# Allegro board AM335x_ICE_3H0013_PCB_REV_2_1A.brd (continued)
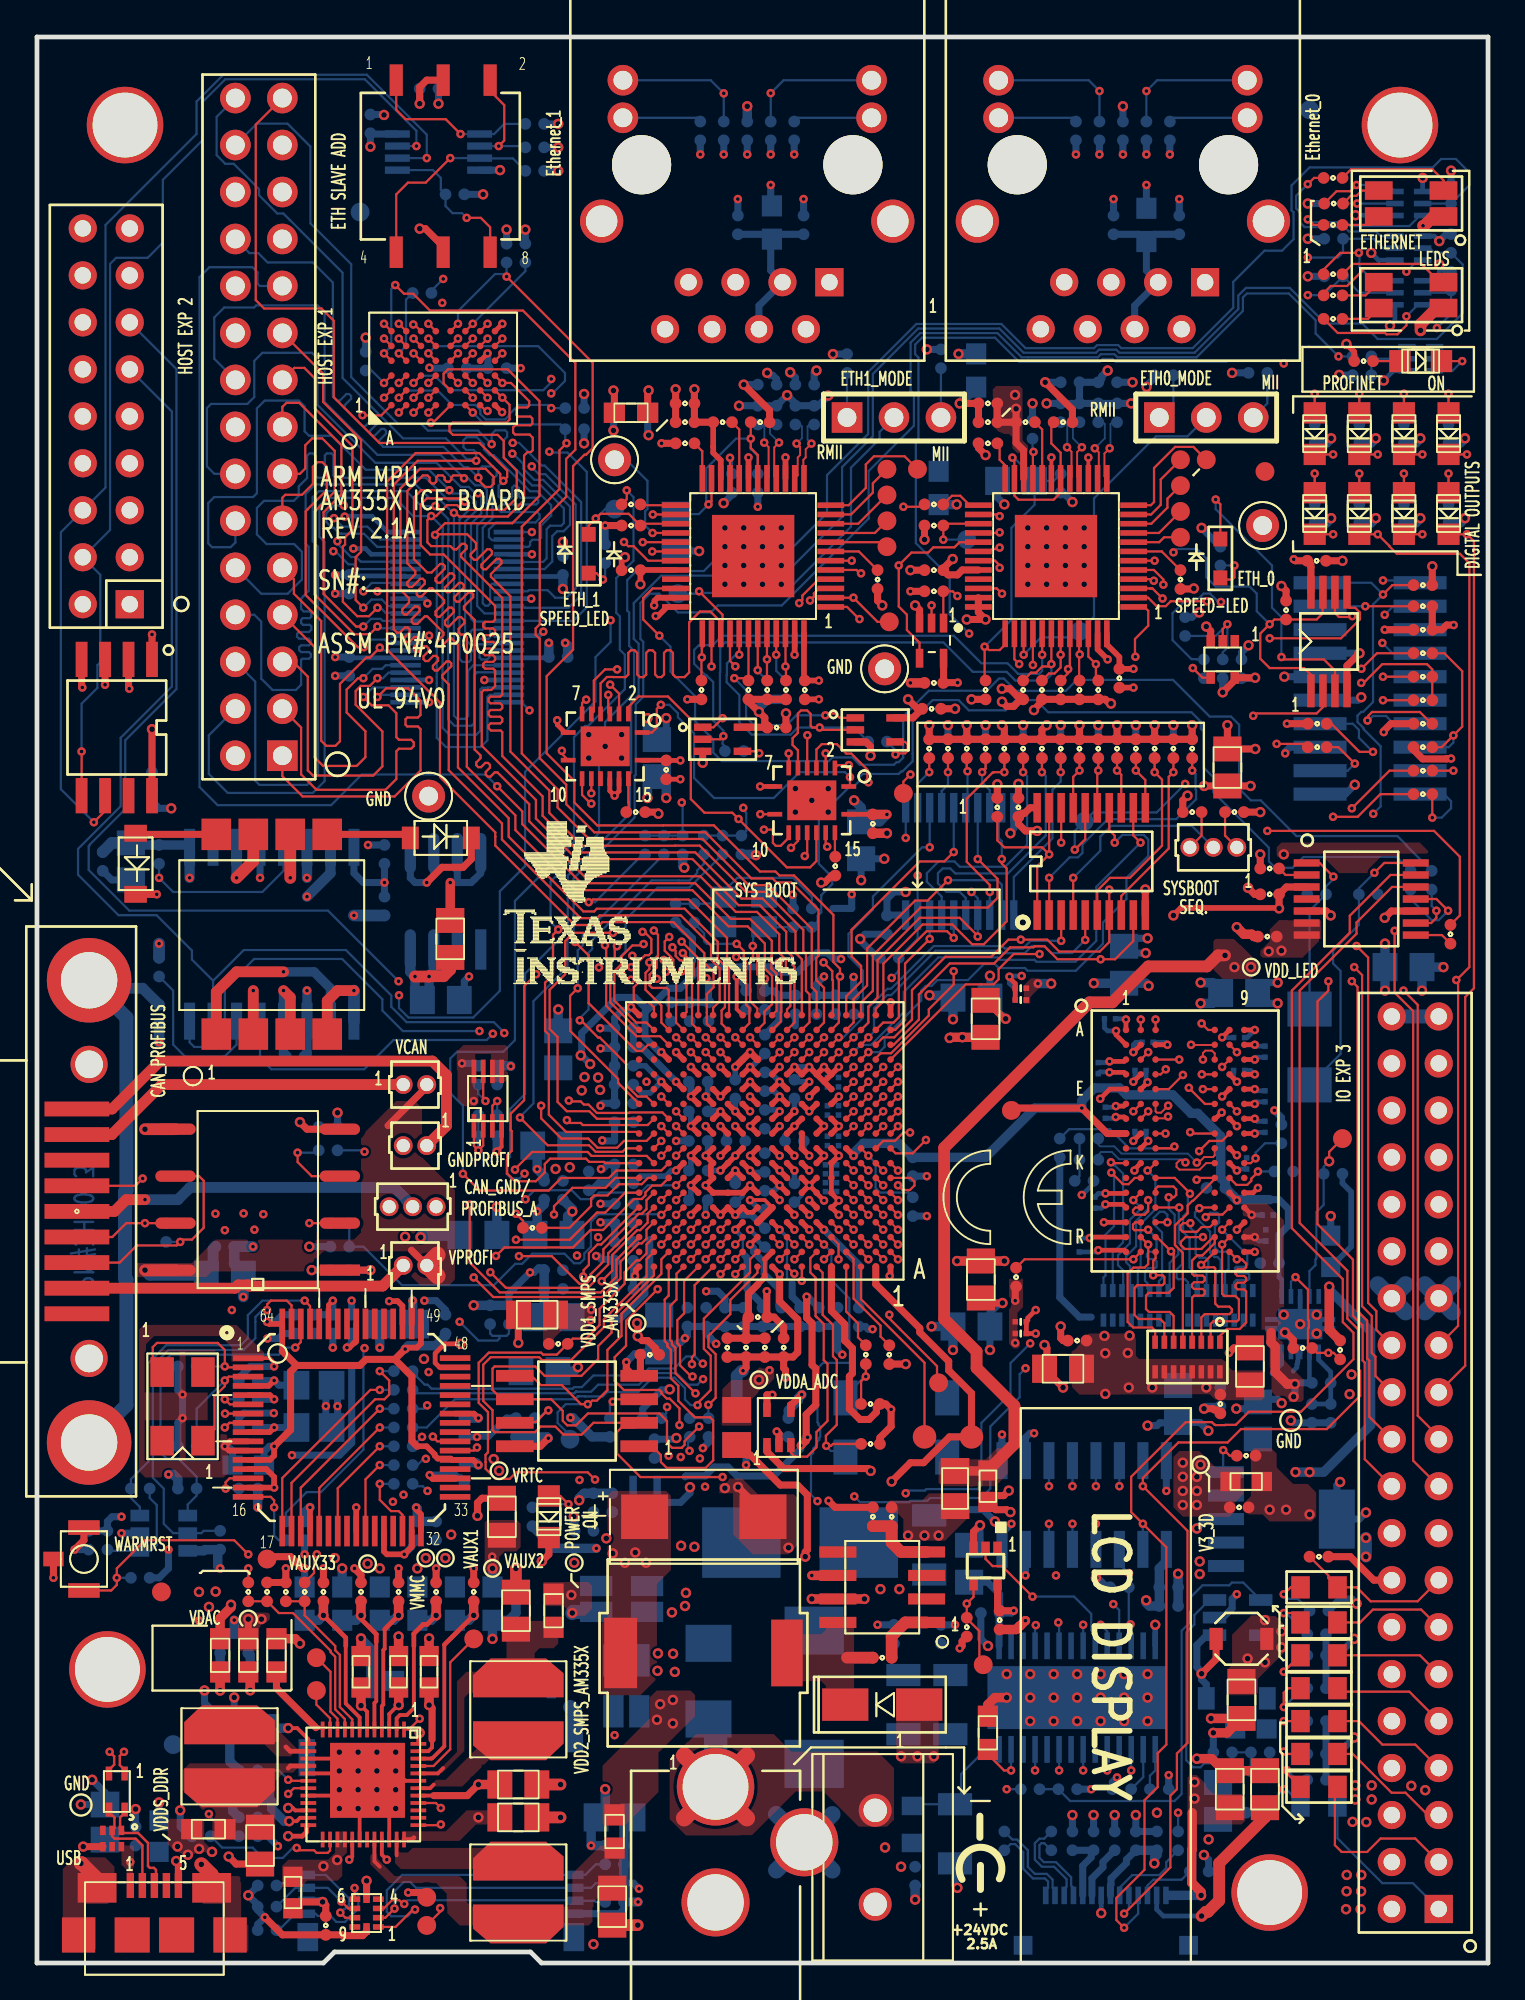
[diagram p0: board, top side]
## Routing (per net, layer and track width the routed paths; a pad name or vN(x,y) marks a point on that pad's centre or on a via; arc(x,y) is an arc through that point) (continued)
GND_EARTH: length 5.8
  TOP w0.381: S1.3 v1(0.89,20.83)
  TOP w0.762: J13.S2 9.45,4.77 v2(8.89,5.33) ; v2(2.37,5.39) 2.41,5.39 3.25,4.55 J13.S1
  BOTTOM w0.762: 28.84,13.84 29.09,13.59 J16.11
  vias: v2(30.1,1.02)
GND_OSC0: length 16.1
  TOP w0.203: v1(37.85,53.34) 37.85,51.57 U14.V11
  LYR4 w0.381: v1(40.87,57.76) 40.87,56.37 38.22,53.73 38.22,53.72 v1(37.85,53.34) 37.59,53.34 37.16,53.77 35.74,53.77 35.6,53.63 v1(34.89,53.63)
  BOTTOM w0.381: v1(37.85,53.34) 37.92,53.26 37.92,53.24 38.35,52.81 C106.2 ; C100.2 40.89,57.74 v1(40.87,57.76) ; C99.2 35.04,55.77 35.1,55.77 35.46,55.41 35.46,54.19 v1(34.89,53.63)
GND_OSC1: length 13.5
  TOP w0.381: C42.1 45.59,28.4 46.2,29.01 v1(46.2,29.93) 45.91,30.23 C40.1 45.4,30.04 45.4,29.78 45.01,29.39 44.52,29.39 43.94,29.96 43.94,31.72 44.11,31.88 44.11,33.24 43.69,33.66 43.69,34.54 42.97,35.26 U14.A5
GNDA_ADC: length 77.7
  TOP w0.305: v1(40.97,40.45) U14.E8 ; v1(40.17,37.25) U14.A9
  TOP w0.381: C36.2 C35.2 C34.2 ; C36.2 40.39,32.17 40.49,32.07 v1(40.49,31.65) ; C36.2 40.89,32.77 41.15,33.02 41.15,34.8 40.17,35.78 v1(40.17,37.25) ; v1(38.19,32.02) 38.35,32.19 C34.2 ; C34.2 C33.2
  LYR3 w0.508: v2(71,30.76) 71,31.72 v2(71.1,31.82)
  LYR3 w0.635: v2(71,30.76) 68.25,28.01 66.74,28.01 65.79,27.06 63.88,27.06 63.04,27.9 61.6,27.9 60.96,27.27 47.07,27.27 46.45,27.89 46.45,27.9 45.67,28.69 43.42,30.94 42.68,30.94 41.67,31.94 40.78,31.94 v1(40.49,31.65) 40.49,30.48 40.06,30.05 39.28,30.05 38.1,31.22 38.1,31.93 v1(38.19,32.02)
  LYR4 w0.635: J14.40 J14.38 71.8,47.17 71.8,38.48 71.38,38.06 71.38,33.66 71.03,33.3 71.03,31.9 v2(71.1,31.82)
  BOTTOM w0.635: FB11.1 37.85,31.75 38.1,32 38.17,32 v1(38.19,32.02)
  BOTTOM w0.762: J14.39 J14.40
GNDPROFI: length 40.1
  TOP w0.635: C24.2 22.35,53.72 21.99,53.36 21.23,53.36 v1(21.21,53.34) v1(20.45,53.34) ; v1(10.79,58.67) 11.7,59.58 L1.7 ; U16.5 v2(5.84,45.09) ; L1.6 v1(13.7,58.67)
  LYR5_PWR w0.762: 16.76,39.12 16.76,40.01 16,40.01
  LYR5_PWR w0.889: 18.48,40.32 J8.3 18.48,41.47 ; 19.24,43.62 J7.2 19.24,44.77
  BOTTOM w0.508: v1(20.45,53.34) 20.45,52.47 C107.2 21.21,52.43 v1(21.21,53.34) ; 8.26,60.33 8.13,60.45 R153.1 5.19,60.45 C95.2
  BOTTOM w0.559: v1(14.61,57.66) 15.88,58.93 U28.15 ; v1(20.45,53.34) 20.19,53.59 U27.4 ; U28.11 v1(10.79,58.67) ; v1(21.21,53.34) 21.46,53.59 21.46,54.8 ; U28.14 v1(14.61,58.67) ; v1(8.26,58.67) 8.26,60.33
  BOTTOM w0.584: v1(11.16,36.02) C191.2 11.16,37.31 10.67,37.81 C185.2 v1(11.68,38.73) ; v1(6.6,49.78) R175.2
  BOTTOM w0.635: C98.2 v1(17.14,56.64) ; C95.2 4.05,60.56 C96.2
V3_3D: length 219.3
  TOP w0.254: U1.G4 v1(24.37,87.03) ; U9.16 34.02,65.04 C19.1 v1(34.8,65.02) ; U11.16 45.2,62.11 C20.1
  TOP w0.305: U18.56 17.27,33.61 17.2,33.54 17.16,33.54 16.9,33.27 v1(16.76,33.27) ; U2.32 32.65,75.32 C9.1 v2(32.64,74.55) ; U18.20 v1(14.77,24.64) ; U18.31 20.27,22.5 v1(19.86,22.1) 18.92,22.1 18.77,22.25 U18.28 ; v1(59.31,69.98) C11.1 58.55,70.61 57.87,71.29 U3.48 ; U2.48 41.49,69.39 C15.1 v1(42.29,69.34) ; v1(23.88,29.46) 23.63,29.71 U18.42
  TOP w0.381: v2(65.89,69.49) U10.5 64.79,69.36 v2(64.14,68.71) ; 50.29,17.65 50.04,17.4 50.04,17.14 v1(49.91,17.02) ; R24.2 v1(67.61,67.01) ; v2(49.53,75.91) 49.02,75.41 C10.1 49.28,75.06 49.78,75.06 50.05,75.32 U3.32 ; v1(27.66,28.37) 27.23,27.94 U17.8 ; v2(52.2,68.2) 52.45,67.94 52.83,67.94 53.21,68.33 R30.2 53.15,68.52 53.01,68.52 52.62,68.9 v2(52.19,68.9) ; v2(62.57,74.32) 62.56,74.32 62.54,74.3 R19.2 ; SW1.C1 21.08,101.81 20.7,101.42 v2(20.7,100.53) ; R18.2 45.47,73.66 v2(45.72,73.41) ; 49.04,69.23 U5.5 ; 49.04,69.23 v1(49.8,69.23) ; 49.04,69.23 C12.1 ; U19.1 39.48,27.64 40.39,26.74 44.97,26.74 v2(45.09,26.61) ; v1(72.85,66.56) 72.85,66.62 73.23,67.01 R25.2 ; v2(20.7,93.78) 21.01,93.78 21.97,92.81 SW1.C2 ; v1(67.98,75.9) 68.06,75.82 C7.1 68.9,75.63 68.9,75.49 68.91,75.48 U4.8 ; R15.2 v1(30.73,77.72) ; v1(41.36,30.73) 40.82,30.19 40.78,30.19 U19.4 ; v2(53.92,67.74) 53.97,67.79 53.97,67.82 54.36,68.21 R31.2 R32.2 R33.2 R34.2 57.78,68.33 57.91,68.2 57.99,68.2 v2(58.09,68.1) ; U16.1 v2(18.03,37.47) ; R21.2 v1(47.24,74.17) ; v2(67.31,74.46) 67.56,74.2 R11.1 ; v2(54.1,61.21) 53.47,61.21 53.09,61.59 C277.1 53.28,62.17 53.42,62.17 53.72,62.46 U37.20 ; C8.1 v1(72.9,72.09) ; U8.5 39.48,66.82 C18.1 39.5,66.93 39.37,67.06 39.37,67.33 v2(39.05,67.65) 39.11,67.65 39.11,67.57 38.48,68.21 R27.2 R28.2 R29.2 ; U7.5 47.39,67.32 C17.1 47.62,67.82 v2(47.12,68.33) ; R16.2 v2(48.01,76.96) ; 6.22,63.12 v2(6.22,66.71)
  TOP w0.508: C20.1 v1(45.97,62.1)
  TOP w0.584: L1.2 v1(11.7,52.58) ; v1(13.34,52.58) 13.7,52.21 L1.3
  LYR3 w0.381: v2(45.09,26.61) 45.14,26.66 45.14,27.96 43.05,30.05 42.31,30.05 41.62,30.73 v1(41.36,30.73)
  LYR4 w0.508: v2(60.44,5.39) 63.4,8.35 63.4,11.4 62.1,12.7 62.1,17.6 60.24,19.47 60.13,19.47 v2(59.99,19.61)
  LYR5_PWR w0.889: J3.1 5.77,72.72 ; J3.1 5.77,74.22 ; J3.1 4.26,72.72 ; J3.1 4.26,74.22
  BOTTOM w0.254: U26.18 19.92,74.99 19.01,74.99 19,75 16.95,75 C86.1 ; C87.1 27.65,70.57 U26.42 ; U26.7 16.93,70.57 C88.1 ; C85.1 28.36,74.97 U26.31
  BOTTOM w0.381: C207.1 17.02,33.53 v1(16.76,33.27) ; R111.2 v2(17.78,87.88) ; C190.1 v2(18.03,37.47) ; C69.1 v2(20.7,100.53) ; J15.5 v1(72.9,72.09) ; v2(42.8,84.75) 42.25,84.2 R120.1 R121.1 41.02,84.33 v2(40.58,84.77) R122.1 R123.1 v2(37.97,84.2) ; v2(37.14,78.94) 37.15,78.94 37.59,79.39 R129.2 ; R280.1 v1(60.01,96.14) ; v2(40.74,86.01) 41.02,85.73 C79.1 ; 29.59,82.93 v2(29.59,82.17) ; v2(39.5,85.98) 39.62,85.85 39.8,85.85 40.01,85.64 C80.1 ; R95.2 v1(37.15,97.79) ; R279.1 39.69,95.07 v1(39.69,96.14) ; R118.1 R117.1 R116.1 v2(59.18,84.33) ; R118.1 C78.1 C77.1 57.59,85.66 57.59,85.8 57.71,85.92 57.72,85.92 v2(57.91,86.11) ; R118.1 R119.1 v2(54.61,84.33) ; C232.2 R211.2 3.81,23.88 4.06,24.13 v1(4.57,24.13) ; U25.8 18.07,98.89 C70.1 v2(18.03,98.21) ; v2(46.99,57.91) 46.35,57.91 45.97,57.53 C275.1 46,56.66 U38.20 ; R240.2 31.18,83.77 v2(31.18,82.87) ; R97.2 v1(39.69,97.79) ; R114.1 60.45,85.72 60.02,85.29 v2(60.02,85.22) ; 64.14,69.47 v2(64.14,68.71) ; R92.2 v1(60.01,97.79) ; C93.1 v2(6.22,66.71) ; v2(65.89,69.49) 65.86,69.47 65.15,69.47 ; C266.1 58.93,5.59 58.93,5.41 58.09,4.57 58.09,4.25 58.06,4.21 J17.7 ; R98.2 v1(40.96,97.79) ; 43.81,87 v2(43.05,87) ; R101.2 v2(26.42,93.73) ; C88.1 v1(16.13,70.61) ; R89.2 v1(56.2,97.79) ; R124.2 v2(53.85,84.33) ; R94.2 v1(35.88,97.79) ; R90.2 v1(57.47,97.79) ; v1(24.37,87.03) 24.38,87.02 C75.1 C76.1 ; C230.1 20.27,22.55 20.27,22.5 v1(19.86,22.1) ; v2(62.99,77.6) R130.2 ; R93.2 v1(61.28,97.79) ; C86.1 v1(16.13,75.06) ; R131.2 v1(30.73,77.72) ; FB12.1 15.62,29.27 15.62,30.11 v1(15.63,30.11) 15.63,30.93 FB10.1 16.26,30.92 v1(16.26,30.11) 16.26,29.28 FB12.1
  BOTTOM w0.508: v1(28.86,29.49) 28.98,29.49 30.02,28.45 R199.2 ; R206.2 7.62,26.17 7.37,26.42 v1(7.11,26.42) ; v1(9.91,21.34) 9.78,21.46 9.78,22.23 R210.2 9.08,22.35 9.02,22.29 U33.6 ; v2(39.05,67.65) 39.05,67.88 R28.2 R29.2 ; C218.1 40.64,29.88 41.18,30.43 41.18,30.55 41.37,30.73 v1(41.36,30.73) ; R148.2 34.92,59.31 v2(35.01,59.23) ; R145.2 38.82,59.94 38.86,59.9 v2(38.88,59.9) ; R241.2 49.73,78.86 v2(49.75,78.87) ; v1(13.34,52.58) 13.34,49.15 C123.1 ; R205.2 v1(11.94,24.64) ; v2(34.04,62.99) 34.04,63.88 33.77,64.15 C92.1 33.27,64.15 33.02,63.9 v2(33.02,62.99) ; C231.1 14.47,23.88 14.47,24.34 v1(14.77,24.64) ; C219.1 R200.2 27.59,28.45 v1(27.66,28.37) ; C266.1 C265.1 60.58,5.85 60.45,5.72 60.45,5.4 v2(60.44,5.39) ; v1(23.88,29.46) C220.1 ; C85.1 v2(28.45,74.3) ; v2(59.99,19.61) 59.99,19.48 60.17,19.3 C238.1 C236.1 60.71,21.34 61.09,21.72 U31.1 ; v1(45.97,62.1) 45.58,61.71 C94.1 44.58,62.48 v2(44.2,62.87) ; FB9.1 18.54,34.48 v1(18.54,33.27) ; C87.1 v1(27.69,71.37)
  vias: v2(61.98,27.05) v2(61.98,26.29) v2(61.98,25.53) v2(61.98,24.77) v2(62.74,26.29) v2(62.74,25.53) v2(62.74,24.77) v2(62.94,26.95) v2(66.62,54.7) v2(67.31,54.74)
V3_3D_PROFIA: length 5.1
  TOP w0.584: L1.4 15.7,52.02 16.26,52.58 v1(17.14,52.58)
  BOTTOM w0.635: v1(17.14,52.58) U28.1
V3_3D_PROFIB: length 11
  TOP w0.584: L1.1 9.7,52.5 10.79,53.59 v1(13.34,53.59)
  BOTTOM w0.508: v1(13.34,53.59) 14.99,53.59 15.88,52.7 U28.2
V3_3D_PRUETH0JCK: length 9.4
  BOTTOM w0.381: C71.1 60.4,93.47 R280.2 ; J2.4 59.37,89.61 J2.3 60.01,91.52 R280.2 ; R280.2 59.62,93.47 C72.1
V3_3D_PRUETH1JCK: length 9.5
  BOTTOM w0.381: C73.1 40.02,93.47 R279.2 ; J1.4 39.05,89.61 J1.3 39.69,91.52 39.69,93.14 R279.2 ; R279.2 39.49,93.47 C74.1
V5_0D: length 61
  TOP w0.203: 21.37,12.08 21.37,11.66 21.17,11.45 U22.47 ; v2(17.53,13.92) 17.85,13.59 U22.6 ; v2(13.64,7.67) 14.05,7.67 14.23,7.85 U22.23 ; U22.41 21.46,9.05 ; U22.3 19.05,13.47 19.53,13.95 v2(19.56,13.95) ; U22.13 14.68,12.1 14.08,12.7 v2(13.59,12.7)
  TOP w0.254: 20.39,6.78 20.29,6.68 U22.36
  TOP w0.381: 21.37,12.08 21.37,13.78 v2(21.21,13.95) ; v2(23.88,9.65) 23.28,9.05 21.46,9.05
  TOP w0.508: v2(17.53,13.92) C57.1 ; v2(21.21,13.95) C59.1 ; C58.1 19.56,14.89 v2(19.56,13.95) ; C61.1 v2(23.88,9.65)
  LYR3 w0.889: J14.27 76.57,36.69 ; J14.27 76.57,35.19 ; J14.27 75.07,35.19 ; J14.27 75.07,36.69 ; 72.53,35.19 J14.28 ; J14.28 74.03,36.69 ; J14.28 74.03,35.19 ; J14.28 72.53,36.69
  LYR4 w0.508: v1(57.02,9.4) 59.31,9.4 v2(60.58,8.13)
  LYR4 w0.889: J14.27 76.57,35.19 ; J14.27 75.07,36.69 ; J14.27 76.57,36.69 ; J14.27 75.07,35.19 ; 72.53,36.69 J14.28 ; J14.28 74.03,35.19 ; J14.28 74.03,36.69 ; J14.28 72.53,35.19
  BOTTOM w0.381: R224.1 v1(57.02,9.4)
  BOTTOM w0.508: R132.1 69.75,77.87 v2(70,78.12) ; R173.1 76.98,82.19 v2(77.24,82.44) ; R133.1 72.16,77.87 v2(72.41,78.12) ; v2(74.83,82.44) 74.57,82.19 R155.1 ; R143.1 69.75,82.19 v2(70,82.44) ; v2(74.83,78.12) 74.57,77.87 R136.1 ; v2(13.64,7.67) 13.37,7.67 12.7,8.34 12.7,8.72 C257.1 ; v2(74.91,52.58) C97.1 v2(76.07,53.85) ; R151.1 72.16,82.19 v2(72.41,82.44) ; v2(77.24,78.12) 76.98,77.87 R140.1 ; v2(13.59,12.7) C251.1
  BOTTOM w0.635: v2(71.88,22.99) v2(71.88,21.97)
  BOTTOM w0.889: J14.28 74.03,36.69 ; J14.28 72.53,36.69 ; J14.28 74.03,35.19 ; 75.07,35.19 J14.27 ; J14.27 76.57,36.69 ; J14.27 75.07,36.69 ; J14.27 76.57,35.19
  vias: v2(15.49,5.23) v2(16.24,5.57) v2(23.88,7.87) v2(31.14,22.15) v2(31.8,21.64) v2(32.36,22.2) v2(32.94,21.64) v2(47.12,23.11) v2(48.01,23.11) v2(48.77,23.11) v2(65.48,16.46) v2(66.42,18.54) v2(66.42,16.26) v2(67.31,17.93) v2(67.31,17.07) v2(71.16,7.63) v2(71.3,9.6) v2(71.3,8.84) v2(71.9,7.62) v2(72.19,9.6) v2(72.19,8.84) v2(74.33,9.58) v2(75.09,9.34)
V5_0VOP: length 7.8
  TOP w0.381: v1(52.83,19.05) C55.1 51.96,19.16 U20.5
  BOTTOM w0.381: C240.1 52.04,18.89 U35.15 ; C240.1 52.7,18.92 v1(52.83,19.05) ; C240.1 52.07,19.94 51.42,20.59 C234.1
V13: length 6.6
  TOP w0.508: 62.48,8.13 62.48,6.14 62.46,6.12 62.46,4.34 62.97,3.84 v2(62.97,3.66)
  BOTTOM w0.203: J17.1 61.16,3.66
  BOTTOM w0.508: 61.16,3.66 v2(62.97,3.66)
  vias: v2(62.61,9.78) v2(62.61,8.89)
V24_0HVS: length 46.5
  TOP w0.381: J14.16 72.31,20.7 71.04,21.97 R243.1
  TOP w0.508: v2(44.76,19.68) U21.7 v2(41.91,19.68)
  LYR3 w0.635: J14.16 J14.14
  LYR3 w0.889: 72.53,6.21 J14.4 ; J14.4 74.03,4.71 ; J14.4 72.53,4.71 ; J14.4 74.03,6.21 ; 72.53,3.67 J14.2 ; J14.2 74.03,2.17 ; J14.2 74.03,3.67 ; J14.2 72.53,2.17
  LYR4 w0.889: J14.2 74.03,2.17 ; J14.2 72.53,2.17 ; J14.2 74.03,3.67 ; J14.2 72.53,3.67 ; 72.53,6.21 J14.4 ; J14.4 74.03,4.71 ; J14.4 72.53,4.71 ; J14.4 74.03,6.21 ; 72.53,17.41 J14.14 ; J14.14 74.03,17.41 ; J14.14 72.53,18.91 ; J14.14 74.03,18.91 ; J14.12 74.03,14.87 ; J14.12 74.03,16.37 ; J14.12 72.53,16.37 ; J14.12 72.53,14.87 ; 74.03,8.75 J14.6 74.03,7.25 ; J14.10 74.03,13.83 ; J14.10 72.53,13.83 ; J14.10 72.53,12.33 ; J14.10 74.03,12.33 ; 72.53,19.95 J14.16 ; J14.16 74.03,19.95 ; J14.16 74.03,21.45 ; 72.53,11.29 J14.8 74.03,11.29
  vias: v2(45.62,20.22) v2(45.87,6.25) v2(46.65,20.22) v2(46.74,5.21) v2(70.84,4.76) v2(70.83,3.88) v2(70.81,2.91) v2(71.63,4.76) v2(71.62,3.88) v2(71.59,2.91)
V24_IN: length 25.1
  TOP w0.889: 35.01,7.83 J11.1 ; J11.1 38.4,7.83 ; J11.1 38.4,11.22 ; J11.1 35.01,11.22
  LYR3 w0.889: 38.4,11.22 J11.1 35.01,11.22
  LYR4 w0.889: 5.77,94.54 J3.17 4.26,94.54
  BOTTOM w0.889: 35.01,7.83 J11.1 35.01,11.22
  BOTTOM w1.27: D18.2 36.7,12.81 J11.1
  vias: v1(8.76,18.52) v2(8.76,20.07) v2(9.3,19.26) v2(9.66,20.08)
VBAT_LCD: length 3.8
  BOTTOM w0.381: C269.1 C268.1 57.02,5.97 57.02,5.72 56.56,5.26 J17.10
VDD1_SMPS:
  vias: v2(33.53,13.15) v2(33.71,14) v2(34.39,14.22) v2(34.39,12.95)
VDD1_SMPS_AM335X: length 47
  TOP w0.305: U14.J13 v1(36.17,43.65) U14.H13 36.45,43.13 36.45,42.57 U14.G13 v1(36.17,42.05) U14.F13 U14.F12 U14.F11 v1(38.57,42.05) U14.F10
  TOP w0.381: U14.A2 45.37,36.7 47.75,34.32 47.75,34.1 49.31,32.53 49.31,32.04 50.55,30.81 TP25.1 49.35,28.45 47.96,27.05 47.25,27.05 v2(46.23,26.04) ; v2(32.46,34.59) 32.5,34.56 v2(32.5,33.89) 32.73,33.66 33.04,33.66 33.46,33.23 33.46,33.08 C37.1
  LYR4 w0.762: 35.99,21.01 36.7,20.29 36.7,17.75 36.17,17.22 ; 35.99,21.01 35.45,21.55 34.28,21.55 33.73,22.1 33.73,22.63 ; 35.99,21.01 40.82,25.83 43.77,25.83 43.9,25.97 44.62,25.97 44.77,25.82 46.01,25.82 v2(46.23,26.04)
  BOTTOM w0.254: C170.1 37.82,41.14 38.15,41.47 38.15,41.63 v1(38.57,42.05)
  BOTTOM w0.305: C151.1 36.28,43.76 v1(36.17,43.65)
  vias: v2(33.59,16.74) v2(33.56,15.8) v2(34.41,16.72) v2(34.5,15.74)
VDD2_SMPS: length 1.7
  BOTTOM w0.762: 30.63,18.98 R212.1 29.02,18.98 v2(28.96,18.92)
  vias: v2(28.9,19.9)
VDD2_SMPS_AM335X: length 25.4
  TOP w0.203: 42.17,41.63 U14.F6
  TOP w0.254: v1(42.57,41.22) 42.17,41.63 ; U14.G6 v1(41.77,42.05) U14.F6
  TOP w0.305: U14.N12 v1(36.97,46.85) U14.N13 ; U14.H11 v1(38.57,42.85) U14.G10 ; U14.J12 v1(36.97,43.65) ; U14.K6 v1(42.57,45.25) U14.L6 ; U14.N9 v1(40.17,47.65) U14.N8 ; U14.K8 40.72,45 v1(40.97,45.25) U14.L7 ; U14.M11 v1(38.57,46.05) ; U14.F7 v1(41.77,42.05) U14.G7 ; v1(40.17,46.05) U14.L9 ; v1(40.97,46.05) U14.L8 ; v1(36.97,45.25) U14.K12 ; U14.M13 v1(36.17,46.85)
  LYR4 w0.381: 29.46,38.99 30.23,38.23 v1(30.24,38.23)
  BOTTOM w0.203: v1(41.77,42.05) 41.39,41.67 41.39,41.52 41.01,41.14 C169.1
  BOTTOM w0.305: C142.1 40.09,46.13 v1(40.17,46.05) ; C150.1 37.26,44.48 37.26,44.96 v1(36.97,45.25) ; C131.1 36.28,46.96 v1(36.17,46.85) ; C155.1 39.34,42.74 38.68,42.74 v1(38.57,42.85) ; C149.1 40.46,44.74 v1(40.97,45.25) ; C130.1 39.66,48.16 v1(40.17,47.65) ; C134.1 v1(40.97,46.05)
  BOTTOM w0.381: v1(30.24,38.23) 30.35,38.23 30.53,38.05 31.17,38.05 C187.1 C192.1
  BOTTOM w0.508: C171.1 28.96,40.77 v2(28.96,40.64) 28.7,40.39 28.7,39.61 C178.1
  vias: v2(28.05,42.93) v2(28.82,43.02) v2(29.06,21.64) v2(34.34,18.96) v2(35.1,20.02) v2(35.05,19.3)
VDD_1V8FT: length 34.1
  TOP w0.305: v1(23.88,26.92) 23.59,27.21 U18.37 22.45,27.21 22.38,27.27 21.68,27.27 21.51,27.44 21.51,27.5 21.08,27.94 20.56,27.94 ; U18.49 20.77,33.49 20.55,33.27 19.99,33.27 v1(19.91,33.2) ; v1(12.45,34.67) 12.56,34.56 U18.64 13.27,33.09 ; v1(12.83,27.94) 12.83,27.43 12.6,27.21 U18.12
  TOP w0.381: 14.05,32.31 13.27,33.09 ; 14.05,32.31 13.72,31.98 13.72,28.83 v1(12.83,27.94) ; 14.05,32.31 17.46,32.31 17.79,32.64 19.35,32.64 ; 20.56,27.94 20.28,28.22 20.28,31.71 19.35,32.64 ; 19.35,32.64 v1(19.91,33.2)
  BOTTOM w0.381: C224.1 12.28,27.65 12.57,27.94 v1(12.83,27.94) ; C208.2 13.27,35.05 12.89,34.67 v1(12.45,34.67)
  BOTTOM w0.508: C206.2 22.1,33.91 21.56,33.38 20.09,33.38 v1(19.91,33.2) ; C225.2 23.75,27.05 v1(23.88,26.92)
VDD_FTREGIN: length 2.6
  TOP w0.305: v1(20.32,35.81) 20.27,35.76 U18.50
  BOTTOM w0.508: FB9.2 20.32,34.73 v1(20.32,35.81)
VDD_FTVPHY: length 3.7
  TOP w0.305: U18.4 12.54,31.21 v1(12.83,31.5)
  BOTTOM w0.381: FB10.2 13.08,31.24 v1(12.83,31.5) C213.2
VDD_FTVPLL: length 3.6
  TOP w0.305: U18.9 12.58,28.71 12.83,28.95 v1(12.83,28.96)
  BOTTOM w0.381: C221.2 v1(12.83,28.96) FB12.2
VDD_LED: length 97.9
  TOP w0.305: R128.2 71.25,87.12 v2(70.83,87.54)
  TOP w0.508: C45.1 51.41,26.6 FB3.1
  TOP w0.635: v2(64.26,54.48) 63.88,54.48 63.28,53.89 60.11,53.89 58.17,51.94 56.93,51.94 49.07,44.08 49.07,34.82 50.82,33.07 50.82,32.17 52.87,30.12 52.87,28.07 C45.1 ; v1(74.97,93.93) 75.03,93.93 75.53,94.44 D1.1 ; D2.1 75.71,89.48 74.83,88.61 v2(74.83,88.28)
  LYR3 w0.635: v1(74.97,93.93) 74.83,93.79 v2(74.83,88.28) 74.1,87.54 v2(70.83,87.54) 70.12,87.54 68.44,85.86 68.44,77.25 69.89,75.8 69.89,75.52 70.31,75.1 70.91,75.1 70.92,75.1 71.29,75.1 71.75,75.56 73.03,75.56 73.57,75.03 73.57,64.05 73.03,63.51 73.03,61.54 72.54,61.05 70.57,61.05 68.94,59.41 68.94,56.62 67.94,55.63 66.55,55.63
  vias: v2(64.77,53.85) v2(65.66,53.85)
VDD_RTC: length 5.6
  TOP w0.305: v1(42.57,39.65) U14.D6
  BOTTOM w0.381: v1(42.57,39.65) 44.45,37.77 C195.1
VDDA_ADC: length 14.3
  TOP w0.305: v1(40.97,39.65) U14.D8
  TOP w0.381: C36.1 40.39,34.41 39.87,34.92 R60.2 39.4,34.92 39.48,35 v1(39.48,36.32)
  LYR3 w0.203: 39.62,39.24 39.74,39.36 39.74,39.83 39.99,40.08 40.35,40.08 40.65,39.78 40.84,39.78 v1(40.97,39.65)
  LYR3 w0.381: v2(39.05,31.53) 39.05,31.55 39.51,32 39.59,32 39.62,32.04 v1(39.62,32.05) 39.62,33.48 39.48,33.63 v1(39.48,36.32) 39.22,36.58 39.22,38.84 39.62,39.24
VDDS_DDR: length 55.8
  TOP w0.254: U14.H5 U14.G5 U14.F5 42.97,41.63 v1(43.37,41.22) 43,40.85 U14.E5 v1(43.37,40.45) ; U15.D9 v1(65.87,48.05) ; U15.R9 v1(65.87,39.25) ; U15.G7 63.73,45.65 64.07,45.99 v1(64.08,45.99) ; U15.B2 v1(59.3,49.25) ; U15.A1 v1(58.9,51.02) ; U15.C1 58.8,48.75 v1(58.01,48.75) ; v1(56.95,39.2) 57,39.25 U15.R1 ; U15.H2 v1(59.3,44.45) ; U15.K2 59.36,42.91 v1(59.36,42.85) ; U15.D2 v1(59.3,47.65) ; U15.N9 v1(65.7,40.45) ; v1(52.6,53.33) 52.6,53.27 52.91,52.96 C25.1 C26.1 ; v1(57.79,41.02) 58.73,41.02 U15.N1 ; U15.E9 v1(65.87,47.25) ; U15.F1 58.79,46.33 v1(58.35,46.33) ; U15.H9 v1(65.87,44.85) ; U15.C9 v1(65.87,48.85) ; U15.A8 v1(64.1,50.05) ; U15.K8 v1(64.9,42.85)
  TOP w0.305: U14.K5 v1(43.37,45.25) U14.L5 ; U14.J5 v1(43.37,43.65) U14.H5
  TOP w0.381: v1(52.91,35.81) 52.91,36.53 R59.1
  TOP w0.508: v2(49.77,37.96) C28.1 v2(52.32,37.96) ; v2(68.04,31.31) 67.62,31.31 67.62,31.3 66.98,31.95 66.98,33.33 66.75,33.55 66.75,34.09 ; C27.1 v2(50.05,50.05) 49.4,50.05 v2(49.37,50.02)
  BOTTOM w0.254: v1(59.3,44.45) 59.39,44.54 C146.1 ; v1(65.87,48.05) 65.66,48.26 C127.1 ; v1(57.79,41.02) 57.59,40.82 C174.1 ; C140.1 58.3,46.27 v1(58.35,46.33) ; v1(65.87,47.25) 65.96,47.16 C136.1 ; C118.1 59.44,49.78 59.3,49.65 v1(59.3,49.25) ; v1(58.9,51.02) 58.86,51.05 C115.1 ; C156.1 64.98,42.93 v1(64.9,42.85) ; C122.1 65.99,48.98 v1(65.87,48.85) ; C176.1 65.71,40.44 v1(65.7,40.45) ; v1(59.3,47.65) 59.39,47.74 C128.1 ; R191.2 68.83,31.5 U29.2 ; C126.1 57.95,48.69 v1(58.01,48.75) ; C183.1 56.53,39.2 v1(56.95,39.2) ; v1(65.87,44.85) 65.93,44.91 C144.1 ; C180.1 66.08,39.04 v1(65.87,39.25) ; C117.1 64.11,50.04 v1(64.1,50.05) ; C162.2 57.15,42.15 56.53,41.53 v1(56.52,41.53) ; v1(53.26,53.37) 52.64,53.37 v1(52.6,53.33) 52.6,52.96 52.86,52.7 C25.1 C26.1
  BOTTOM w0.381: v2(67.97,30.62) 68.04,30.69 v2(68.04,31.31) 68.01,31.31 68.07,31.37 R191.2
  BOTTOM w0.508: v2(62.94,51.89) 63.59,51.89 64.02,52.32 C102.1 64.02,52.58 63.59,53.01 v2(62.94,53.01) ; v2(48.28,52.32) 49.55,52.32 C104.1 v2(49.55,51.03) ; v2(57.17,52.98) 57.17,52.98 C101.1 59.99,52.98 v2(60.13,52.83) ; v2(49.55,33.15) C209.1 v2(48.39,34.42)
  vias: v1(52.91,33.53) v2(7.6,6.3) v2(8.16,5.85) v2(8.77,6.17) v2(9.47,6.01)
AIN1: length 61.4
  TOP w0.121: v1(41.77,38.85) U14.C7
  LYR3 w0.127: J14.31 76.77,41.97 76.77,49.04 76.21,49.59 72.88,49.59 68.44,45.15 68.44,38.05 67,36.6 67,36.3 66.17,35.46 66.17,33.63 64.88,32.35 62.59,32.35 61.83,31.58 58.86,31.58 58.62,31.34 57.69,31.34 56.78,30.43 50.11,30.43 42.95,37.59 42.47,37.59 42.01,38.05 42.01,38.53 41.77,38.77 v1(41.77,38.85)
AIN2: length 54
  TOP w0.121: U14.B7 v1(40.97,38.05)
  LYR3 w0.127: J14.33 74.53,42.28 74.53,40.75 73.42,39.64 72.62,39.64 71.17,38.19 71.17,33.02 67.96,29.81 67.62,29.81 67.06,29.25 61.87,29.25 60.77,28.16 47.31,28.16 40.16,35.31 40.16,36.59 39.78,36.97 39.78,38.21 40.01,38.44 40.33,38.44 40.73,38.05 v1(40.97,38.05)
AIN3: length 49.7
  TOP w0.121: U14.A7 41.37,36.89 v1(41.37,36.89)
  LYR3 w0.127: v1(41.37,36.89) 41.24,36.75 41.24,35.86 43.44,33.67 43.63,33.67 47.95,29.35 59.33,29.35 59.51,29.53 60.7,29.53 61.62,30.44 64.89,30.44 68.99,34.54 69.37,34.54 70.48,35.66 70.48,40.51 72.2,42.23 73.32,42.23 74.53,43.44 74.53,44.81 J14.35
AIN4: length 51.1
  TOP w0.121: v1(40.97,38.85) U14.C8
  LYR3 w0.127: J14.37 74.61,47.43 73.27,47.43 68.72,42.89 68.72,36.97 67.82,36.07 67.43,36.07 66.42,35.06 66.42,33.53 64.99,32.09 62.7,32.09 61.85,31.24 61.26,31.24 60.48,30.46 59.07,30.46 58.79,30.18 49.89,30.18 42.77,37.29 42.45,37.29 41.73,38.01 41.73,38.17 41.05,38.85 v1(40.97,38.85)
AIN5: length 46.5
  TOP w0.121: v1(40.17,38.05) U14.B8
  LYR3 w0.127: J14.32 73.14,41.02 70.87,38.74 70.87,35.02 69.21,33.37 68.73,33.37 65.34,29.98 65.34,29.78 65.07,29.5 61.21,29.5 60.29,28.57 56.65,28.57 56.13,29.09 47.63,29.09 46.37,30.35 45.47,30.35 40.57,35.25 40.57,37.65 v1(40.17,38.05)
AIN6: length 45.5
  TOP w0.121: U14.A8 40.95,37.27 v1(40.96,37.27)
  LYR3 w0.127: v1(40.96,37.27) 41.2,37.27 41.2,37.28 41.53,37.28 44.08,34.73 44.08,34.27 48.75,29.6 59.17,29.6 59.36,29.79 60.61,29.79 61.51,30.7 62.16,30.7 63.05,31.58 65.65,31.58 67.03,32.96 67.03,34.29 67.3,34.57 67.69,34.57 69.4,36.28 69.4,40.83 72.13,43.56 J14.34
AIN7: length 48.8
  TOP w0.121: v1(40.17,38.85) U14.C9
  LYR3 w0.127: v1(40.17,38.85) 40.21,38.81 40.4,38.81 40.76,38.46 41.12,38.46 41.43,38.15 41.43,37.79 44.78,34.44 44.78,33.93 48.85,29.86 58.89,29.86 59.16,30.13 60.58,30.13 61.4,30.95 61.98,30.95 62.87,31.84 65.37,31.84 66.78,33.25 66.78,35.05 67.28,35.56 68.07,35.56 69.08,36.57 69.08,41.87 73.28,46.07 J14.36
AM335X_OSC0_IN: length 58.2
  TOP w0.121: U14.V10 38.96,51.26 38.96,51.61 38.58,52 38.58,54.25 38.73,54.4 38.73,54.98 v1(38.72,54.99)
  BOTTOM w0.121: v1(38.72,54.99) 38.73,55.01 38.73,55.88 38.89,56.03 Y3.3 39.35,56.01 C100.1 R172.2 42.22,56.32 42.22,56.62 42.42,56.81 42.42,57.74 43.01,58.33 43.01,58.71 42.29,59.44 42.29,62.48 42.67,62.87 43.21,62.87 43.96,63.62 44.18,63.62 44.48,63.91 44.48,64.11 44.66,64.29 46.6,64.29 46.74,64.43 46.82,64.43 47.37,64.98 47.37,65.39 47.36,65.39 47.36,67.2 48.45,68.28 49.85,68.28 50.4,67.73 52.39,67.73 52.94,68.28 54.04,68.28 54.16,68.16 54.17,68.16 54.39,67.94 54.39,67.94 54.7,67.63 62.45,67.63 62.95,67.12 62.95,66.74 63.12,66.57 63.12,64.62 63.63,64.11 63.63,63.31 66.63,60.3 66.63,59.57 66.98,59.22 67.92,59.22 68.5,59.8 71.25,59.8 71.26,59.81 73.54,59.81 R144.2
AM335X_REFCLK_RMII1: length 66.6
  TOP w0.121: U14.H18 30.73,43.25 30.67,43.32 29.87,43.32 29.7,43.49 27.75,43.49 27.47,43.2 27.47,42.75 26.98,42.27 25.86,42.27 25.43,42.69 25.43,43.67 25.68,43.92 25.68,44.98 25.62,45.04 25.62,45.92 26.35,46.65 26.35,52.82 v1(27,53.47) ; R13.2 47.88,78.74 v1(46.86,78.74)
  LYR4 w0.127: v1(27,53.47) 27,54.41 26.38,55.03 26.38,66.76 27.15,67.52 27.15,68.51 29.12,70.48 29.12,78.65 29.68,79.21 32.07,79.21 33.29,80.43 45.17,80.43 v1(46.86,78.74)
AM335X_REFCLK_RMII2: length 56.4
  TOP w0.121: R12.2 31.9,79.14 v1(31.9,79.63) ; U14.H16 33.77,42.85 31.34,42.85 30.94,42.45 28.35,42.45 27.67,41.77 23.94,41.77 v1(23.04,42.67)
  BOTTOM w0.121: v1(23.04,42.67) 23.04,46.35 22.36,47.04 22.36,48.9 22.72,49.27 25.22,49.27 25.85,49.9 25.85,57.42 29.05,60.62 29.05,66.28 29.65,66.89 29.81,66.89 31.8,68.88 31.8,70.74 31.53,71.01 31.53,72.81 31.33,73.01 31.33,74.89 32.27,75.82 32.27,79.26 v1(31.9,79.63)
B_PRUETH0_LINKLED: length 51
  TOP w0.121: U3.28 52.04,77.32 v1(52.07,77.35)
  LYR3 w0.127: v1(52.07,77.35) 52.07,77.58 50.83,78.81 50.83,84.02 52.51,85.7 52.51,91.15 52.51,91.47 52.73,91.7 52.73,91.77 55.78,94.81 55.78,100.23 56.77,101.22 v1(57.47,101.22)
  LYR4 w0.127: TP20.1 65.79,78.23 62.61,78.23 61.51,77.13 53.4,77.13 53.17,77.35 v1(52.07,77.35)
  BOTTOM w0.121: J2.10 56.89,101.8 v1(57.47,101.22) R90.1
BOOT: length 3.4
  TOP w0.635: C56.1 46.23,17.68 46.97,18.41 U21.1
C1N: length 4.7
  BOTTOM w0.121: C270.2 54.48,6.48 54.33,6.48 54.22,6.37 54.22,5.69 54.46,5.45 55.12,5.45 55.94,4.63 55.94,4.19 56.06,4.06 J17.11
C1P: length 5.1
  BOTTOM w0.121: J17.12 55.56,4 55.69,4.13 55.69,4.53 55.01,5.21 54.36,5.21 53.98,5.59 53.98,6.48 54.22,6.72 54.48,6.72 C270.1
C2N: length 5.1
  BOTTOM w0.121: J17.13 55.06,3.94 54.94,4.06 54.94,4.51 54.62,4.82 53.98,4.82 53.59,5.2 53.59,5.89 53.59,5.89 53.59,6.1 53.16,6.53 53.01,6.68 52.76,6.68 C271.2
C2P: length 4.7
  BOTTOM w0.121: C271.1 52.66,6.43 52.91,6.43 53.35,5.99 53.35,5.1 53.87,4.57 54.52,4.57 54.69,4.4 54.69,4.06 54.56,3.94 J17.14
CAN0_H: length 6.8
  TOP w0.121: U16.7 v1(5.84,40.01) 4.83,40.01 4.08,39.26 J9.7
  BOTTOM w0.121: R238.1 v1(5.84,40.01)
CAN0_L: length 12.6
  TOP w0.121: J9.2 4.47,37.87 5.4,38.8 7.56,38.8 v1(7.75,38.99) 7.87,39.12 8.38,39.12 9.02,39.75 9.02,42.3 8.77,42.55 U16.6
  BOTTOM w0.121: R238.2 v1(7.75,38.99)
CAN0_RXDF: length 2.8
  TOP w0.121: U16.2 v1(14.73,40.01)
  BOTTOM w0.121: v1(14.73,40.01) R186.2
CAN0_TXDF: length 5.6
  TOP w0.121: v1(14.1,43.81) 14.1,43.31 14.86,42.55 U16.3
  BOTTOM w0.121: C145.1 R181.2 15.11,43.81 v1(14.1,43.81)
CAN_GND/PROFIBUS_A: length 19.2
  TOP w0.584: v1(5.84,41.27) 4.83,41.27 4.19,40.64 J9.3
  BOTTOM w0.584: J8.2 19.98,41.24 19.98,41.28 19.32,41.94 8.28,41.94 7.62,41.27 v1(5.84,41.27)